# Altium PCB UZ_A_MAX11331_Adapter.PcbDoc (part 1 of 2) (continued)
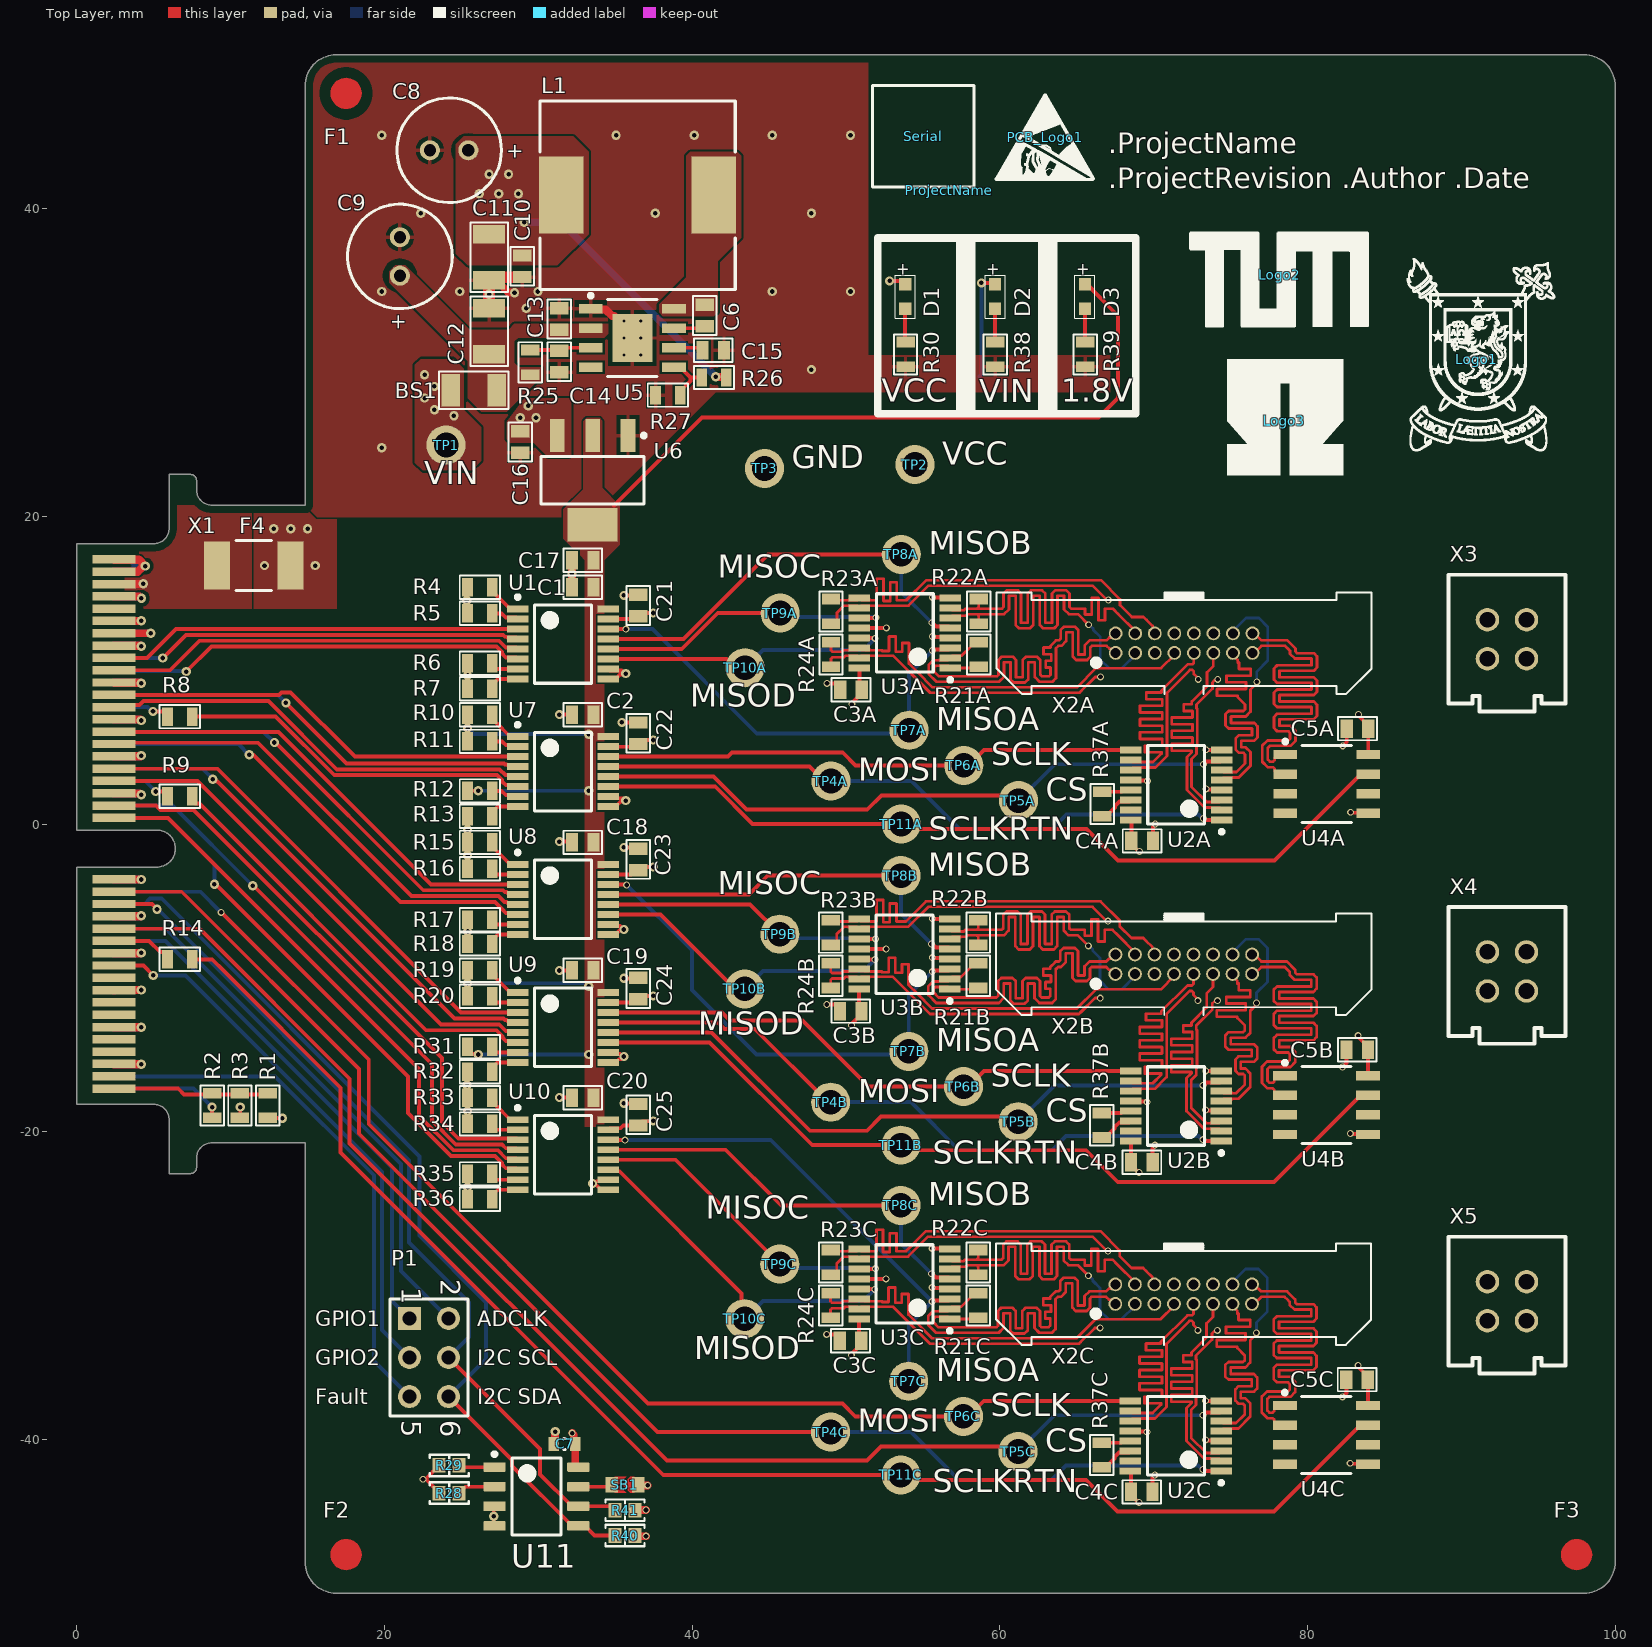
[diagram p0: Top Layer view]
## Part data (continued)
SB1: library part =Value, Device Package=0603, Component Type="Solder Bump", Created from=AGeiger, Created On="09.01.2024 17:13:56", Last Updated="09.01.2024 17:13:56", Manufacturer Part Number="Solder Bump 0603", Mounting Type=SMD, PartID=1, Revision="July-2002: Re-released for DXP Platform."
Serial: library part SerialNumber, Created=2018_09_18_AGeiger
TP1 TP2 TP3 TP4A TP4B TP4C TP5A TP5B TP5C TP6A TP6B TP6C TP7A TP7B TP7C TP8A TP8B TP8C TP9A TP9B TP9C TP10A TP10B TP10C TP11A TP11B TP11C: library part TP, "1.6mm Test Point Keystone", MPN=5006, Supplier Part Number 1=36-5006-ND, Created=2020_04_Kreppel, MF="Keystone Electronics", Supplier 1=Digikey
U1 U7 U8 U9 U10: "4-Bit Dual-Supply Bus Transceiver With Configurable Voltage-Level Shifting and 3-State Outputs With Independent Direction Control Inputs", LCSC Part Number=C129363, MPN=SN74AVC4T77PW, Supplier Part Number 1=296-23611-5-ND, Created=2020_05_Kreppel, MF="Texas Instruments", Supplier 1=Digikey
U2A U2B U2C: library part ADN4665, "3V, LVDS, Quad, CMOS Differential Line Driver", LCSC Part Number=C658627, MPN=ADN4665ARUZ, Supplier Part Number 1=ADN4665ARUZ-ND, Created=2020_05_Kreppel, MF="Analog Devices", Supplier 1=Digikey
U3A U3B U3C: library part ADN4666, "3V, LVDS, quad, CMOS Differential Line Receiver", LCSC Part Number=C658631, MPN=ADN4666ARUZ, Supplier Part Number 1=ADN4666ARUZ-ND, Created=2020_05_Kreppel, MF="Analog Devices", Supplier 1=Digikey
U4A U4B U4C: library part ADN4662, "Single, 3V, CMOS, LVDS High Speed Differential Receiver", LCSC Part Number=C658624, MPN=ADN4662BRZ, Supplier Part Number 1=ADN4662BRZ-ND, Created=2020_05_Kreppel, MF="Analog Devices", Supplier 1=Digikey
U5: library part LMR33620A, "3.8V to 36V, 2A synchronous step-down converter", LCSC Part Number=C2071694, MPN=LMR33620ADDA, Supplier Part Number 1=296-48841-ND, Switching frequency=400kHz, Created="4/20 Kreppel", MF="Texas Instruments", Supplier 1=Digikey, Supplier 2=Mouser
U6: library part TLV1117LV18DCYR, "1A Positive 1.8V Fixed-Voltage Low-Dropout Regulator", Current Max="1 A", LCSC Part Number=C80105, Supplier Part Number 1=296-28777-1-ND, Voltage Input Max="5.5 V", Voltage Output="1.8 V", Created=2020_04_Kreppel, MF="Texas Instruments", MPN=TLV1117LV18DCYR, Supplier 1=Digikey, Supplier 2=Mouser, Supplier Part Number 2=595-TLV1117-18IDCYR
U11: "2Kbit I2C SOP-8 EEPROM ROHS", Device Package=SOIC-8, LCSC Part Number=C7562, Manufacturer=STMicroelectronics, Operating Temperature="-40 to +85 °C", Supplier Part Number 1=511-M24C02-WMN6TP, Component Type=EEPROM, ComponentLink1Description=Datasheet, ComponentLink1URL=https://www.st.com/resource/en/datasheet/m24c01-w.pdf, Created from=AGeiger, Created On="19.11.2023 14:54:27", Last Updated="19.11.2023 21:39:04", Manufacturer Part Number=M24C02-WMN6TP, Mounting Type=SMD, PartID=1, Series=M24xxx, Supplier 1=Mouser, Supplier 2=LCSC, Supplier Part Number 2=C7562, Type=Memory
X1: "Mating Card Layout for HSEC8-140-01-XX-DV-A-BL", Created=2018_04_23_AGeiger, MF=SAMTEC
X2A X2B X2C: library part EHF-108-01-F-D, "Dual Row, 2x8 Shrouded IDC Header with Ejectors 50 mil pitch", LCSC Part Number=C17569033, Supplier Part Number 1=SAM9265-ND, Created=2020_05_Kreppel, MF=Samtec, MPN=EHF-108-01-F-D, Supplier 1=Digikey
X3 X4 X5: library part IPL1-102-XX-X-D-X, "2.54mm Double Row Terminal Assembly, Right-Angled", Supplier Part Number 1=SAM10565-ND, Created=2018_05_02_AGeiger, MF=SAMTEC, MPN=IPL1-102-01-L-D-K, Supplier 1=Digikey

## Via types
v1: diameter 0.6, hole 0.3, Top Layer to Bottom Layer, tented both sides, 111 vias
v2: diameter 0.45, hole 0.3, Top Layer to Bottom Layer, tented both sides, 84 vias
v3: diameter 0.5, hole 0.2, Top Layer to Bottom Layer, tented bottom, 6 vias

## Nets (pads, with @x,y where several pads share a name; then routed paths per layer and width w, separated by ;. In a path a pad name is that pad's centre, name@x,y a point inside that pad or via, vN(x,y) a via of type N, cw(c..) or ccw(c..) an arc to the next point about the centre after c; other vN are vias at no path point)
1.8V: C1.1 C2.1 C17.1 C18.1 C19.1 C20.1 D3.2 R10.1 R11.1 R12.1 R19.1 R20.1 R31.1 U1.16 U6.2 U6.4 U7.16 U8.16 U9.16 U10.16 | length 79.6
  Top Layer w0.254: R31.1@25.4,-14.475 25.4,-14.725 25.623,-14.948 26.058,-14.948 v1(26.096,-14.986) ; R20.1@25.4,-11.2 v1(25.4,-10.35) R19.1@25.4,-9.5 ; R12.1@25.4,2.15 25.409,2.159 v1(26.096,2.159) ; R11.1@25.4,5.368 v1(25.4,6.234) R10.1@25.4,7.1 ; 34.925,20.701 40.64,26.416 66.421,26.416 67.691,27.686 67.691,33.042 66.029,34.704 66.029,34.754 65.606,35.177 D3.2@65.556,35.177
  Bottom Layer w0.254: v1(25.4,-10.35) 32.989,-10.35 33.18,-10.541 v1(33.274,-10.541) ; v1(25.4,6.234) 25.792,5.842 v1(33.274,5.842) ; v1(26.096,-14.986) v1(33.274,-14.986) ; v1(26.096,2.159) v1(33.274,2.159)
3.3V: C7.1 R1.2 R28.2 R29.2 R40.2 R41.2 SB1.1 U11.8 X1.13 X1.14 | length 103.8
  Top Layer w0.254: R1.2@12.4,-19.1 12.413,-19.113 13.347,-19.113 v1(13.36,-19.126) ; R28.2@23.55,-43.5 23.55,-43.45 22.7,-42.6 v2(22.5,-42.6) 22.65,-42.6 R29.2@23.55,-41.7
  Top Layer w0.508: X1.13@2.4,12.4 v1(4.8,12.4) ; v2(32.2,-39.6) 32.304,-39.704 32.304,-40.204 C7.1@32.4,-40.3 32.4,-41.767 32.446,-41.813 U11.8@32.601,-41.813 ; R40.2@36.284,-46.258 36.326,-46.3 v2(37,-46.3) ; R41.2@36.284,-44.613 36.297,-44.6 v2(37,-44.6) ; SB1.1@36.48,-42.956 36.524,-43 v2(37.1,-43)
  VCC w0.254: v1(4.8,12.4) 3.566,12.4 2.9,11.734 2.9,1.9 4.2,0.6 6.2,0.6 7.6,-0.8 7.6,-15.7 8.6,-16.7 10.934,-16.7 v1(13.36,-19.126) 15.326,-19.126 17,-20.8 17,-39.1 20.5,-42.6 v2(22.5,-42.6) 32.3,-42.6 ; v2(32.2,-39.6) 32.2,-42.5 32.3,-42.6 ; v2(37,-46.3) v2(37,-44.6) 37,-43.1 v2(37.1,-43) 36.7,-42.6 32.3,-42.6
  Bottom Layer w0.508: X1.14@2.4,12.4 v1(4.8,12.4)
ADCLK: P1.2 X1.54 | length 36.3
  Bottom Layer w0.254: X1.54@2.413,-6.807 5.765,-6.807 21.064,-22.106 21.064,-29.048 P1.2@24.16,-32.144
ADDR_0: R29.1 U11.1 | length 2.3
  Top Layer w0.25: R29.1@24.85,-41.7 24.963,-41.813 U11.1@27.151,-41.813
ADDR_1: R28.1 U11.2 | length 2.5
  Top Layer w0.25: R28.1@24.85,-43.5 24.85,-43.45 25.15,-43.15 25.2,-43.15 25.267,-43.083 U11.2@27.151,-43.083
Collective_FLT: P1.5 X1.78 | length 34.9
  Bottom Layer w0.254: X1.78@2.413,-16.407 12.876,-16.407 19.304,-22.835 19.304,-34.908 P1.5@21.62,-37.224
CS1: TP5A.1 U2A.7 U7.12 | length 42.4
  Top Layer w0.254: U7.12@34.55,3.075 41.389,3.075 43.524,0.94 51.384,0.94 52.298,1.854 60.884,1.854 TP5A.1@61.214,1.524 ; v2(73.228,3.886) 73.281,3.886 73.467,4.072 74.32,4.072 U2A.7@74.418,4.17
  Bottom Layer w0.254: TP5A.1@61.214,1.524 63.576,3.886 v2(73.228,3.886)
CS1_i: U7.5 X1.25 | length 28.4
  Top Layer w0.254: X1.25@2.413,7.593 2.561,7.741 4.058,7.741 4.318,8.001 12.446,8.001 16.891,3.556 27.478,3.556 27.861,3.173 28.552,3.173 U7.5@28.65,3.075
CS2_i: U9.5 X1.37 | length 33
  Top Layer w0.254: X1.37@2.413,2.793 7.845,2.793 23.668,-13.03 27.46,-13.03 27.882,-13.452 28.552,-13.452 U9.5@28.65,-13.55
CS3: TP5C.1 U2C.7 X1.53 | length 90.4
  Top Layer w0.254: X1.53@2.413,-6.807 7.975,-6.807 17.729,-16.561 17.729,-20.761 38.35,-41.382 51.358,-41.382 52.273,-40.467 60.858,-40.467 TP5C.1@61.189,-40.797 ; v2(73.203,-38.435) 73.256,-38.435 73.442,-38.249 74.295,-38.249 U2C.7@74.393,-38.151
  Bottom Layer w0.254: TP5C.1@61.189,-40.797 63.551,-38.435 v2(73.203,-38.435)
CSA_N: U2A.5 X2A.14 | length 18.8
  Top Layer w0.178: U2A.5@74.418,2.87 74.554,3.007 75.122,3.007 75.133,3.018 75.532,3.018 76.302,3.787 76.302,4.332 76.302,4.672 75.989,4.985 75.689,4.985 75.689,5.417 76.548,5.417 76.757,5.625 76.757,6.351 76.548,6.56 75.032,6.56 75.032,6.991 75.989,6.991 76.302,7.304 76.302,7.772 76.302,8.738 76.708,9.144 v2(76.708,9.239)
  Bottom Layer w0.178: X2A.14@75.153,12.395 75.153,12.534 76.01,13.392 76.836,13.392 77.419,12.808 77.419,10.617 76.708,9.906 v2(76.708,9.239)
CSA_P: U2A.6 X2A.13 | length 20.3
  Top Layer w0.178: U2A.6@74.418,3.52 74.554,3.384 75.122,3.384 75.133,3.373 75.385,3.373 75.946,3.935 75.946,4.332 75.946,4.525 75.842,4.629 75.542,4.629 75.334,4.838 75.334,5.564 75.542,5.772 76.401,5.772 76.401,6.204 74.884,6.204 74.676,6.412 74.676,7.139 74.884,7.347 75.842,7.347 75.946,7.451 75.946,7.772 75.463,8.255 75.463,8.344 74.126,8.344 74.126,8.776 75.999,8.776 75.999,9.208 74.736,9.208 74.736,9.639 76.305,9.639 76.305,10.071 75.544,10.071 75.544,10.503 75.463,10.503 75.463,10.66 75.153,10.971 X2A.13@75.153,11.125
CSB: TP5B.1 U2B.7 U9.12 | length 44.1
  Top Layer w0.254: U9.12@34.55,-13.55 41.261,-13.55 47.65,-19.939 51.364,-19.939 52.278,-19.025 60.864,-19.025 TP5B.1@61.194,-19.355 ; v2(73.208,-16.993) 73.261,-16.993 73.448,-16.807 74.3,-16.807 U2B.7@74.398,-16.709
  Bottom Layer w0.254: TP5B.1@61.194,-19.355 63.556,-16.993 v2(73.208,-16.993)
CSB_N: U2B.5 X2B.14 | length 18.8
  Top Layer w0.178: U2B.5@74.398,-18.009 74.534,-17.872 75.102,-17.872 75.113,-17.861 75.512,-17.861 76.282,-17.092 76.282,-16.547 76.282,-16.207 75.969,-15.894 75.67,-15.894 75.67,-15.462 76.529,-15.462 76.737,-15.254 76.737,-14.528 76.529,-14.319 75.012,-14.319 75.012,-13.888 75.969,-13.888 76.282,-13.575 76.282,-13.107 76.282,-12.141 76.688,-11.735 v2(76.688,-11.64)
  Bottom Layer w0.178: X2B.14@75.133,-8.484 75.133,-8.345 75.991,-7.487 76.816,-7.487 77.399,-8.071 77.399,-10.262 76.688,-10.973 v2(76.688,-11.64)
CSB_P: U2B.6 X2B.13 | length 20.3
  Top Layer w0.178: U2B.6@74.398,-17.359 74.534,-17.495 75.102,-17.495 75.113,-17.506 75.365,-17.506 75.926,-16.944 75.926,-16.547 75.926,-16.354 75.822,-16.25 75.522,-16.25 75.314,-16.041 75.314,-15.315 75.522,-15.107 76.381,-15.107 76.381,-14.675 74.865,-14.675 74.656,-14.467 74.656,-13.74 74.865,-13.532 75.822,-13.532 75.926,-13.428 75.926,-13.107 75.444,-12.624 75.444,-12.535 74.106,-12.535 74.106,-12.103 75.979,-12.103 75.979,-11.671 74.716,-11.671 74.716,-11.24 76.285,-11.24 76.285,-10.808 75.524,-10.808 75.524,-10.376 75.444,-10.376 75.444,-10.219 75.133,-9.908 X2B.13@75.133,-9.754
CSC_N: U2C.5 X2C.14 | length 18.8
  Top Layer w0.178: U2C.5@74.393,-39.451 74.529,-39.315 75.097,-39.315 75.108,-39.304 75.507,-39.304 76.276,-38.534 76.276,-37.989 76.276,-37.649 75.964,-37.337 75.664,-37.337 75.664,-36.905 76.523,-36.905 76.731,-36.696 76.731,-35.97 76.523,-35.762 75.006,-35.762 75.006,-35.33 75.964,-35.33 76.276,-35.017 76.276,-34.549 76.276,-33.584 76.683,-33.177 v2(76.683,-33.082)
  Bottom Layer w0.178: X2C.14@75.128,-29.926 75.128,-29.787 75.985,-28.93 76.81,-28.93 77.394,-29.513 77.394,-31.704 76.683,-32.415 v2(76.683,-33.082)
CSC_P: U2C.6 X2C.13 | length 20.3
  Top Layer w0.178: U2C.6@74.393,-38.801 74.529,-38.937 75.097,-38.937 75.108,-38.948 75.359,-38.948 75.921,-38.387 75.921,-37.989 75.921,-37.796 75.816,-37.692 75.517,-37.692 75.308,-37.484 75.308,-36.757 75.517,-36.549 76.376,-36.549 76.376,-36.117 74.859,-36.117 74.651,-35.909 74.651,-35.183 74.859,-34.974 75.816,-34.974 75.921,-34.87 75.921,-34.549 75.438,-34.066 75.438,-33.977 74.1,-33.977 74.1,-33.546 75.974,-33.546 75.974,-33.114 74.711,-33.114 74.711,-32.682 76.28,-32.682 76.28,-32.25 75.519,-32.25 75.519,-31.818 75.438,-31.818 75.438,-31.661 75.128,-31.351 X2C.13@75.128,-31.196
EN: C14.1 R25.1 U5.3 | length 4
  Top Layer w0.254: R25.1@29.464,30.809 31.318,30.809 C14.1@31.368,30.759 31.568,30.959 U5.3@33.408,30.959
FB: R26.1 R27.2 U5.5 | length 3.5
  Top Layer w0.254: U5.5@38.808,29.689 39.283,29.689 39.456,29.516 39.456,29.458 39.886,29.028 ; R27.2@39.222,27.885 39.222,28.135 39.886,28.799 39.886,29.028 ; R26.1@40.617,29.028 39.886,29.028
GND: C1.2 C2.2 C3A.2 C3B.2 C3C.2 C4A.2 C4B.2 C4C.2 C5A.2 C5B.2 C5C.2 C7.2 C8.1 C9.1 C10.2 C11.2 C12.2 C13.2 C14.2 C15.2 C16.2 C17.2 C18.2 C19.2 C20.2 C21.2 C22.2 C23.2 C24.2 C25.2 R3.2 R4.1 R5.1 R6.1 R7.1 R13.1 R15.1 R16.1 R17.1 R18.1 R27.1 R30.1 R32.1 R33.1 R34.1 R35.1 R36.1 R38.2 R39.2 TP3.1 U1.9 U1.10 U2A.8 U2A.12 U2B.8 U2B.12 U2C.8 U2C.12 U3A.8 U3A.12 U3B.8 U3B.12 U3C.8 U3C.12 U4A.5 U4B.5 U4C.5 U5.1 U5.9 U6.1 U7.9 U7.10 U8.9 U8.10 U9.9 U9.10 U10.9 U10.10 U11.3 U11.4 X1.1 X1.2 X1.3 X1.4 X1.7 X1.8 X1.11 X1.12 X1.15 X1.16 X1.21 X1.22 X1.27 X1.28 X1.33 X1.34 X1.39 X1.40 X1.45 X1.46 X1.51 X1.52 X1.57 X1.58 X1.63 X1.64 X1.69 X1.70 X1.75 X1.76 X3.1 X3.2 X4.1 X4.2 X5.1 X5.2 | length 131
  Top Layer w0.254: R3.2@10.6,-19.1 10.617,-19.083 v1(10.617,-18.404) ; R36.1@25.4,-24.4 v1(25.4,-23.622) R35.1@25.4,-22.75 ; R34.1@25.4,-19.5 R34.1@25.4,-19.5 25.401,-18.666 v1(25.402,-18.665) 25.402,-17.011 v1(25.368,-16.977) 25.384,-16.961 25.384,-16.116 R32.1@25.4,-16.1 ; R18.1@25.4,-7.8 v1(25.4,-6.985) R17.1@25.4,-6.15 ; R16.1@25.4,-2.9 v1(25.4,-2.032) R15.1@25.4,-1.2 v1(25.4,-0.381) R13.1@25.4,0.5 ; R7.1@25.4,8.8 v1(25.4,9.652) R6.1@25.4,10.45 ; R5.1@25.4,13.694 25.375,13.718 25.375,14.499 v1(25.351,14.524) 25.375,14.548 25.375,15.375 R4.1@25.4,15.4 ; U11.4@27.151,-45.623 27.1,-45.572 27.1,-44.404 U11.3@27.151,-44.353 ; v1(31.369,-17.78) 32.161,-17.78 C20.2@32.181,-17.8 ; v1(31.369,-9.525) 32.156,-9.525 C19.2@32.181,-9.5 ; v1(31.369,-1.143) 32.124,-1.143 C18.2@32.181,-1.2 ; v1(31.369,7.112) 32.169,7.112 C2.2@32.181,7.1 ; v1(33.528,-23.368) v1@33.622,-23.368 ; U10.9@34.55,-23.775 34.075,-23.775 33.734,-23.434 33.688,-23.434 v1@33.622,-23.368 ; U10.10@34.55,-23.125 34.452,-23.223 33.767,-23.223 v1@33.622,-23.368 ; U9.9@34.55,-15.5 35.025,-15.5 35.229,-15.296 35.377,-15.296 v1(35.56,-15.113) 35.466,-15.113 35.301,-14.948 34.648,-14.948 U9.10@34.55,-14.85 ; U8.9@34.55,-7.175 35.025,-7.175 35.276,-6.924 35.494,-6.924 v1(35.56,-6.858) 35.325,-6.623 34.648,-6.623 U8.10@34.55,-6.525 ; U7.9@34.55,1.125 35.025,1.125 35.358,1.458 35.621,1.458 v1(35.687,1.524) 35.593,1.524 35.44,1.677 34.648,1.677 U7.10@34.55,1.775 ; U1.9@34.55,9.425 35.025,9.425 35.313,9.713 35.621,9.713 v1(35.687,9.779) 35.593,9.779 35.395,9.977 34.648,9.977 U1.10@34.55,10.075 ; v1(35.433,6.604) 36.496,6.604 C22.2@36.5,6.6 ; v1(35.56,-18.161) 36.461,-18.161 C25.2@36.5,-18.2 ; v1(35.56,-10.033) 36.467,-10.033 C24.2@36.5,-10 ; v1(35.56,-1.524) 36.424,-1.524 C23.2@36.5,-1.6 ; v1(35.56,14.859) 36.459,14.859 C21.2@36.5,14.9 ; v2(48.743,-33.177) 49.326,-33.177 49.599,-33.45 C3C.2@49.599,-33.603 ; v2(48.748,-11.735) 49.332,-11.735 49.605,-12.008 C3B.2@49.605,-12.16 ; v2(48.768,9.144) 49.351,9.144 49.624,8.871 C3A.2@49.624,8.719 ; U3C.12@50.849,-29.578 50.852,-29.574 52.6,-29.574 v2(52.603,-29.571) ; U3B.12@50.855,-8.135 50.858,-8.132 52.606,-8.132 v2(52.609,-8.128) ; U3A.12@50.874,12.744 50.878,12.747 52.625,12.747 v2(52.629,12.751) ; v2(55.601,-27.589) 55.62,-27.608 56.73,-27.608 U3C.8@56.749,-27.628 ; v2(55.606,-6.147) 55.625,-6.166 56.735,-6.166 U3B.8@56.755,-6.185 ; v2(55.626,14.732) 55.645,14.713 56.755,14.713 U3A.8@56.774,14.694 ; U2C.12@68.493,-39.451 68.531,-39.49 69.533,-39.49 v2(69.571,-39.527) ; U2B.12@68.498,-18.009 68.537,-18.048 69.539,-18.048 v2(69.576,-18.085) ; U2A.12@68.518,2.87 68.557,2.832 69.558,2.832 v2(69.596,2.794) ; C4C.2@69.928,-43.423 69.928,-42.525 70.079,-42.374 v2(70.079,-42.321) ; C4B.2@69.933,-21.981 69.933,-21.083 70.084,-20.932 v2(70.084,-20.879) ; C4A.2@69.953,-1.102 69.953,-0.204 70.104,-0.053 v2(70.104,0) ; v2(73.381,-37.495) 73.383,-37.498 74.39,-37.498 U2C.8@74.393,-37.501 ; v2(73.386,-16.053) 73.389,-16.056 74.395,-16.056 U2B.8@74.398,-16.059 ; v2(73.406,4.826) 73.409,4.823 74.415,4.823 U2A.8@74.418,4.82 ; v2(82.271,-37.241) 82.529,-36.983 C5C.2@82.529,-36.116 ; v2(82.276,-15.799) 82.534,-15.541 C5B.2@82.534,-14.674 ; v2(82.296,5.08) 82.554,5.338 C5A.2@82.554,6.205 ; v2(82.779,-41.559) 82.81,-41.59 83.898,-41.59 U4C.5@83.929,-41.621 ; v2(82.784,-20.117) 82.815,-20.148 83.903,-20.148 U4B.5@83.934,-20.179 ; v2(82.804,0.762) 82.835,0.731 83.923,0.731 U4A.5@83.954,0.7
  Top Layer w0.508: C11.2@26.981,35.538 27.063,35.538 28.039,34.562 28.43,34.562 v1(28.448,34.544) ; C7.2@31,-40.3 31.082,-40.218 31.082,-39.518 v1(31.1,-39.5) ; U5.1@33.408,33.499 33.454,33.453 34.365,33.453 34.798,33.02 34.932,33.02 35.272,32.68 U5.9@35.56,32.68
  Top Layer w0.533: X1.75@2.413,-15.607 2.42,-15.614 4.184,-15.614 v1(4.191,-15.621) ; X1.69@2.413,-13.207 2.414,-13.208 v1(4.191,-13.208) ; X1.63@2.413,-10.807 2.419,-10.801 4.185,-10.801 v1(4.191,-10.795) ; X1.57@2.413,-8.407 2.421,-8.398 4.156,-8.398 4.173,-8.382 v1(4.191,-8.382) ; X1.51@2.413,-6.007 2.421,-5.998 4.143,-5.998 4.173,-5.969 v1(4.191,-5.969) ; X1.45@2.414,-3.607 v1(4.191,-3.608) ; X1.39@2.413,1.993 2.421,1.985 4.093,1.985 4.173,1.905 v1(4.191,1.905) ; X1.33@2.413,4.393 2.421,4.401 4.129,4.401 4.173,4.445 v1(4.191,4.445) ; X1.27@2.413,6.793 2.421,6.785 4.119,6.785 4.173,6.731 v1(4.191,6.731) ; X1.21@2.413,9.193 2.421,9.185 4.132,9.185 4.173,9.144 v1(4.191,9.144) ; X1.15@2.413,11.593 2.421,11.585 4.145,11.585 4.173,11.557 v1(4.191,11.557) ; X1.11@2.413,13.193 2.42,13.201 4.184,13.201 v1(4.191,13.208) ; X1.7@2.413,14.793 2.421,14.785 4.061,14.785 4.175,14.671 v1(4.193,14.671) ; X1.3@2.413,16.393 2.421,16.402 3.956,16.402 v1@4.191,16.637 ; X1.1@2.413,17.193 2.421,17.185 4.024,17.185 v1(4.445,16.764) ; C1.2@32.161,15.38 C1.2@32.181,15.4 C17.2@32.181,17.145
  Top Layer w0.762: C12.2@26.797,33.528 v1(26.797,34.441) C11.2@26.797,35.354 C11.2@26.981,35.538 ; C11.2@27.063,35.538 28.937,35.538 C10.2@28.956,35.557
  Bottom Layer w0.533: X1.76@2.413,-15.607 2.42,-15.614 4.184,-15.614 v1(4.191,-15.621) ; X1.70@2.414,-13.207 v1(4.191,-13.208) ; X1.64@2.413,-10.807 2.419,-10.801 4.185,-10.801 v1(4.191,-10.795) ; X1.58@2.413,-8.407 2.421,-8.398 4.156,-8.398 4.173,-8.382 v1(4.191,-8.382) ; X1.52@2.413,-6.007 2.421,-5.998 4.143,-5.998 4.173,-5.969 v1(4.191,-5.969) ; X1.46@2.414,-3.607 v1(4.191,-3.608) ; X1.40@2.413,1.993 2.421,1.985 4.093,1.985 4.173,1.905 v1(4.191,1.905) ; X1.34@2.413,4.393 2.421,4.401 4.129,4.401 4.173,4.445 v1(4.191,4.445) ; X1.28@2.413,6.793 2.421,6.785 4.119,6.785 4.173,6.731 v1(4.191,6.731) ; X1.22@2.413,9.193 2.421,9.185 4.132,9.185 4.173,9.144 v1(4.191,9.144) ; X1.16@2.413,11.593 2.421,11.585 4.145,11.585 4.173,11.557 v1(4.191,11.557) ; X1.12@2.413,13.193 2.42,13.201 4.184,13.201 v1(4.191,13.208) ; X1.8@2.413,14.793 2.421,14.785 4.061,14.785 4.175,14.671 v1(4.193,14.671) ; X1.4@2.413,16.393 3.538,16.393 3.896,16.751 4.432,16.751 v1(4.445,16.764) 4.432,16.777 3.954,16.777 3.538,17.193 X1.2@2.413,17.193
  other v1: 27.1,-45 32.181,16.273 19.812,24.46 47.752,29.54 57.912,29.54 62.992,29.54 29.21,33.528 19.812,34.62 24.892,34.62 29.972,34.62 45.212,34.62 50.292,34.62 22.352,39.7 37.592,39.7 47.752,39.7 19.812,44.78 35.052,44.78 40.132,44.78 45.212,44.78 50.292,44.78
  other v3: 35.558,30.494 36.658,30.494 35.558,31.594 36.658,31.594 35.558,32.694 36.658,32.694
I2C0_SCL: P1.4 R41.1 U11.6 X1.49 | length 57
  Top Layer w0.254: X1.49@2.413,-5.207 4.877,-5.207 v1(5.207,-5.537) ; P1.4@24.16,-34.684 30.1,-40.624 30.1,-42.277 32.176,-44.353 U11.6@32.601,-44.353 34.724,-44.353 R41.1@34.984,-44.613
  Bottom Layer w0.254: v1(5.207,-5.537) 5.258,-5.537 21.603,-21.882 21.603,-27.203 25.495,-31.095 25.495,-33.35 P1.4@24.16,-34.684
I2C0_SDA: P1.6 R40.1 U11.5 X1.50 | length 60.2
  Top Layer w0.254: P1.6@24.16,-37.224 28.285,-41.349 28.285,-41.732 32.176,-45.623 U11.5@32.601,-45.623 33.026,-45.623 33.661,-46.258 R40.1@34.984,-46.258
  Bottom Layer w0.254: X1.50@2.413,-5.207 4.412,-5.207 4.763,-4.856 5.517,-4.856 22.267,-21.607 22.267,-26.767 26.6,-31.1 26.6,-34.785 P1.6@24.16,-37.224
MISO1_1: U1.3 X1.17 | length 27
  Top Layer w0.254: X1.17@2.413,10.793 4.57,10.793 6.452,12.675 U1.3@28.65,12.675
MISO1_2: U1.4 X1.18 | length 27
  Top Layer w0.254: v1(5.588,10.795) 7.087,12.294 27.711,12.294 27.834,12.171 27.928,12.171 27.976,12.123 28.552,12.123 U1.4@28.65,12.025
  Bottom Layer w0.254: X1.18@2.413,10.793 2.414,10.794 v1(5.588,10.795) v1(5.588,10.795)
MISO1_3: U1.5 X1.19 | length 27.3
  Top Layer w0.254: X1.19@2.413,9.993 6.056,9.993 7.976,11.913 27.442,11.913 27.882,11.473 28.552,11.473 U1.5@28.65,11.375
MISO1_4: U1.6 X1.20 | length 27.3
  Top Layer w0.254: v1(7.112,9.906) 8.738,11.532 27.284,11.532 27.629,11.187 27.629,11.075 27.882,10.823 28.552,10.823 U1.6@28.65,10.725
  Bottom Layer w0.254: X1.20@2.413,9.993 2.457,9.95 7.068,9.95 v1(7.112,9.906)
MISO1_A: TP7A.1 U1.14 U3A.3 | length 29.5
  Top Layer w0.254: U1.14@34.55,12.675 34.552,12.673 35.684,12.673 v2(35.686,12.672) ; v2(55.626,11.278) 55.679,11.278 55.747,11.346 56.676,11.346 U3A.3@56.774,11.444
  Bottom Layer w0.254: v2(35.686,12.672) 37.417,12.672 44.196,5.893 53.899,5.893 TP7A.1@54.102,6.096 54.102,9.754 v2(55.626,11.278)
MISO1_B: TP8A.1 U1.13 U3A.5 | length 27.9
  Top Layer w0.254: U1.13@34.55,12.025 39.432,12.025 44.933,17.526 TP8A.1@53.594,17.526 ; v2(55.575,13.081) 55.628,13.081 55.867,12.842 56.676,12.842 U3A.5@56.774,12.744
  Bottom Layer w0.254: TP8A.1@53.594,17.526 53.594,15.062 v2(55.575,13.081)
MISO1_C: TP9A.1 U1.12 U3A.11 | length 19.6
  Top Layer w0.254: U1.12@34.55,11.375 39.32,11.375 41.661,13.716 TP9A.1@45.72,13.716 ; U3A.11@50.874,13.394 50.883,13.403 51.934,13.403 v2(51.943,13.411)
  Bottom Layer w0.254: TP9A.1@45.72,13.716 45.987,13.449 51.905,13.449 v2(51.943,13.411)
MISO1_D: TP10A.1 U1.11 U3A.13 | length 19.4
  Top Layer w0.254: U1.11@34.55,10.725 42.25,10.725 42.815,10.16 TP10A.1@43.434,10.16 ; U3A.13@50.874,12.094 50.889,12.079 51.878,12.079 v2(51.892,12.065)
  Bottom Layer w0.254: TP10A.1@43.434,10.16 43.464,10.16 44.616,11.312 51.14,11.312 v2(51.892,12.065)
MISO2_1: U8.3 X1.29 | length 30.3
  Top Layer w0.254: X1.29@2.413,5.993 13.108,5.993 23.026,-3.925 U8.3@28.65,-3.925
MISO2_2: U8.4 X1.30 | length 30.6
  Top Layer w0.254: v1(12.841,5.297) 12.915,5.297 22.518,-4.306 27.711,-4.306 27.834,-4.429 27.928,-4.429 27.976,-4.477 28.552,-4.477 U8.4@28.65,-4.575
  Bottom Layer w0.254: X1.30@2.413,5.993 12.145,5.993 v1(12.841,5.297)